# Allegro board FEE5_10_30.brd (continued)
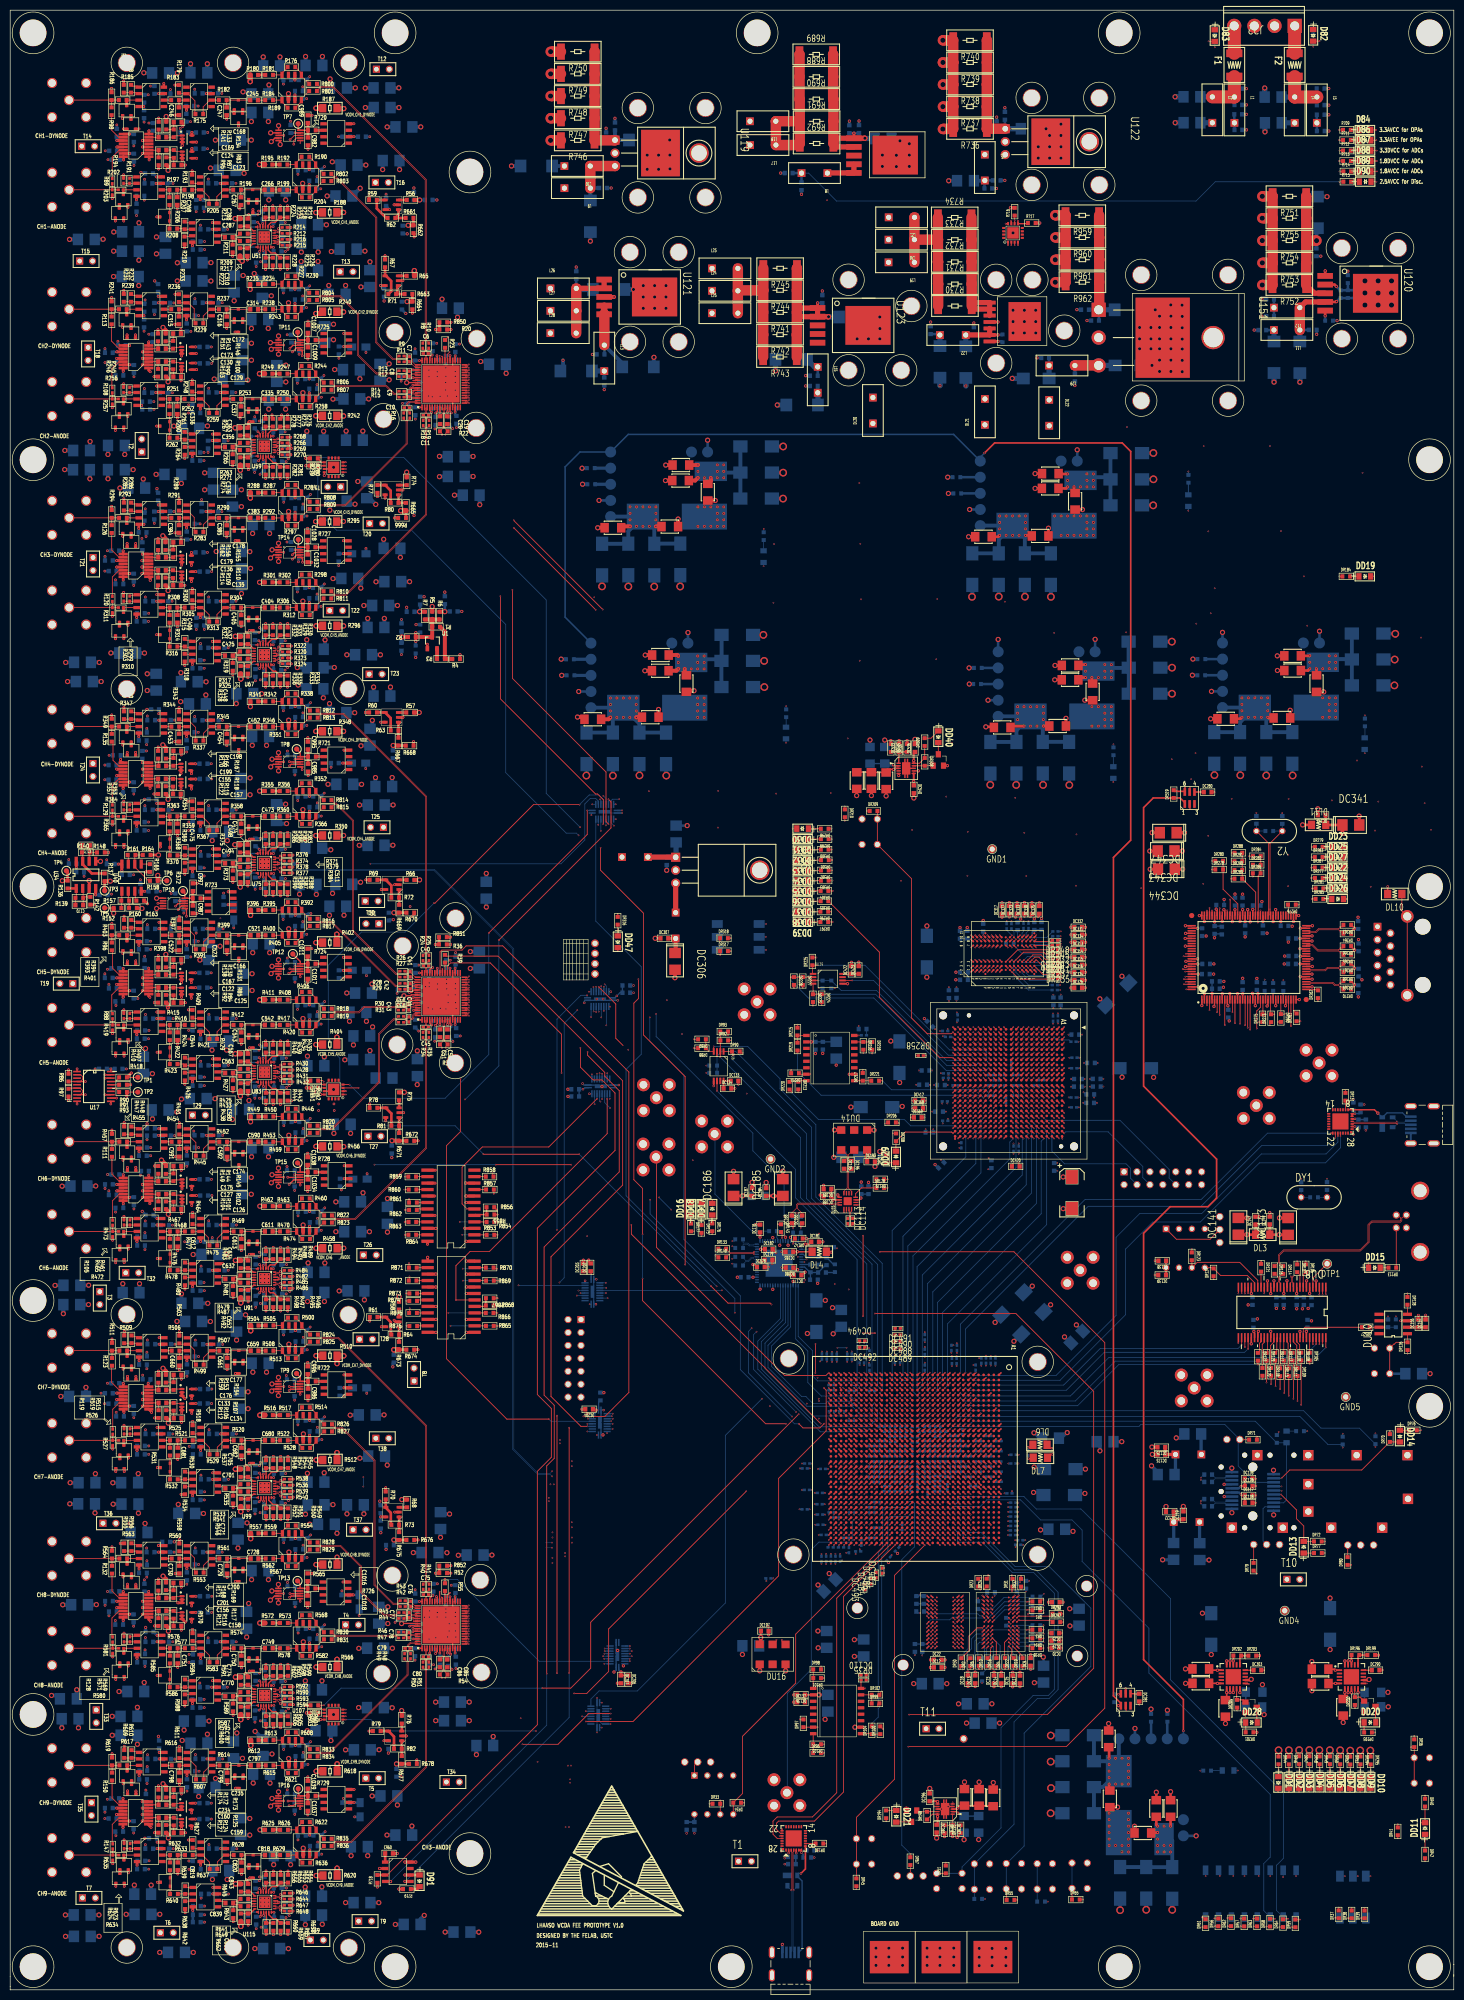
[diagram p0: board, top side]
## Routing (per net, layer and track width the routed paths; a pad name or vN(x,y) marks a point on that pad's centre or on a via; arc(x,y) is an arc through that point) (continued)
  TOP w0.152: DR197.1 183.54,32.3 DC282.1 ; DC282.1 185.13,32.3 DR195.2 ; DC282.1 DU34.1
N1754127: length 4.2
  TOP w0.152: DU34.9 180.13,34.99 DR198.2 178.32,34.98 Q2.1
N1755407: length 3.8
  TOP w0.203: DU33.9 264.12,57.48 DR200.2 265.19,57.46 Q1.1
N1755509: length 4
  TOP w0.203: DU35.9 240.92,57.05 DR204.2 242.22,56.94 Q3.1
N1755553: length 3.6
  TOP w0.305: DU33.16 264.77,65.48 DR196.2 266.6,65.73 DR199.1
N1755557: length 3.3
  TOP w0.305: DR203.1 243.22,65.63 DR202.2 241.57,65.39 DU35.16
N1755573: length 1.6
  TOP w0.203: DC290.1 267.46,62.76 DU33.15
N1755923: length 1.6
  TOP w0.203: DU35.15 242.62,62.76 DC303.1
N2344799: length 3.8
  TOP w0.152: DU7.15 169.23,57.92 DR102.1 169.23,56.24 DR99.1
N2344825: length 3.8
  TOP w0.152: DR100.1 170.93,50.21 DR104.1 169.15,50.3 DU7.9
N2344863: length 3.7
  TOP w0.152: DR98.1 157.76,62.9 DR101.2 157.74,61.2 DU7.1
N2344889: length 3.8
  TOP w0.152: DU7.8 DR103.2 157.74,46.52 DR96.1
N2421672: length 1.9
  TOP w0.152: 174,162.4 DD29.1 172.11,162.4 DR211.1
N2425601: length 0.6
  TOP w0.152: DU4.P28 v1(181.65,93.32)
N2425607: length 0.6
  TOP w0.152: DU4.P29 v1(181.65,92.32)
N2425959: length 0.6
  TOP w0.152: DU4.K28 v1(185.65,93.32)
N2425965: length 0.6
  TOP w0.152: DU4.H28 v1(187.65,93.32)
N2425971: length 0.6
  TOP w0.152: DU4.J28 v1(186.65,93.32)
N2425977: length 0.6
  TOP w0.152: DU4.L28 v1(184.65,93.32)
N2425983: length 0.6
  TOP w0.152: DU4.H29 v1(187.65,92.32)
N2425989: length 0.6
  TOP w0.152: DU4.J29 v1(186.65,92.32)
N2425995: length 0.6
  TOP w0.152: DU4.J30 v1(186.65,91.32)
N2426001: length 0.6
  TOP w0.152: DU4.G29 v1(188.65,92.32)
N2426007: length 0.6
  TOP w0.152: DU4.G30 v1(188.65,91.32)
N2426013: length 0.6
  TOP w0.152: DU4.K30 v1(185.65,91.32)
N2426115: length 0.6
  TOP w0.152: DU4.R32 v1(180.65,89.32)
N2426121: length 0.6
  TOP w0.152: DU4.N32 v1(182.65,89.32)
N2426133: length 0.6
  TOP w0.152: DU4.T33 v1(179.65,88.32)
N2426139: length 0.6
  TOP w0.152: DU4.R33 v1(180.65,88.32)
N2426145: length 0.6
  TOP w0.152: DU4.N34 v1(182.65,87.32)
N2426151: length 0.6
  TOP w0.152: DU4.M34 v1(183.65,87.32)
N2426157: length 0.6
  TOP w0.152: DU4.U34 v1(178.65,87.32)
N2426814: length 3.5
  TOP w0.152: DU38.15 167.6,186.13 DR216.1 167.61,186.12 DR218.1
N2426884: length 3.4
  TOP w0.152: DU38.9 DR217.1 167.48,178.51 DR221.1
N2426918: length 3.2
  TOP w0.152: DR219.2 154.66,185.98 DR215.1 154.66,187.4 DU38.1
N2426948: length 3.4
  TOP w0.152: DR220.2 153.12,178.34 DR213.1 154.99,178.51 DU38.8
N2427808: length 1.2
  BOTTOM w0.152: DR212.1 168.21,188.66 DC308.1
N2429788: length 0.6
  TOP w0.152: DU37.U16 v1(190.2,173.18)
N2429792: length 0.6
  TOP w0.152: DU37.V15 v1(189.2,174.18)
N2429796: length 0.6
  TOP w0.152: DU37.W17 v1(188.2,172.18)
N2429800: length 0.6
  TOP w0.152: DU37.Y18 v1(187.2,171.18)
N2429804: length 0.6
  TOP w0.152: DU37.AA14 v1(186.2,175.18)
N2429816: length 0.6
  TOP w0.152: DU37.V17 v1(189.2,172.18)
N2429820: length 0.6
  TOP w0.152: DU37.W18 v1(188.2,171.18)
N2429824: length 0.6
  TOP w0.152: DU37.AB19 v1(185.2,170.18)
N2429828: length 0.6
  TOP w0.152: DU37.AA18 v1(186.2,171.18)
N2429832: length 0.6
  TOP w0.152: DU37.AB18 v1(185.2,171.18)
N2429836: length 0.6
  TOP w0.152: DU37.Y17 v1(187.2,172.18)
N2429840: length 0.6
  TOP w0.152: DU37.AB17 v1(185.2,172.18)
N2429844: length 0.6
  TOP w0.152: DU37.U14 v1(190.2,175.18)
N2429848: length 0.6
  TOP w0.152: DU37.U13 v1(190.2,176.18)
N2429852: length 0.6
  TOP w0.152: DU37.Y16 v1(187.2,173.18)
N2429856: length 0.6
  TOP w0.152: DU37.W15 v1(188.2,174.18)
N2429860: length 0.6
  TOP w0.152: DU37.V13 v1(189.2,176.18)
N2429864: length 0.6
  TOP w0.152: DU37.W13 v1(188.2,176.18)
N2429868: length 0.6
  TOP w0.152: DU37.AA16 v1(186.2,173.18)
N2429872: length 0.6
  TOP w0.152: DU37.AB16 v1(185.2,173.18)
N2429876: length 0.6
  TOP w0.152: DU37.W14 v1(188.2,175.18)
N2429880: length 0.6
  TOP w0.152: DU37.Y14 v1(187.2,175.18)
N2429884: length 0.6
  TOP w0.152: DU37.Y15 v1(187.2,174.18)
N2429888: length 0.6
  TOP w0.152: DU37.AB15 v1(185.2,174.18)
N2429892: length 0.6
  TOP w0.152: DU37.R11 v1(192.2,179.04)
N2429896: length 0.6
  TOP w0.152: DU37.T11 v1(191.2,179.04)
N2429900: length 0.6
  TOP w0.152: DU37.T15 v1(191.2,174.18)
N2429904: length 0.6
  TOP w0.152: DU37.U15 v1(190.2,174.18)
N2429908: length 0.6
  TOP w0.152: DU37.T12 v1(191.2,177.18)
N2429912: length 0.6
  TOP w0.152: DU37.U12 v1(190.2,177.18)
N2429916: length 0.6
  TOP w0.152: DU37.Y13 v1(187.2,176.18)
N2429920: length 0.6
  TOP w0.152: DU37.AB13 v1(185.2,176.18)
N2429932: length 0.6
  TOP w0.152: DU37.Y11 v1(187.2,179.04)
N2429936: length 0.6
  TOP w0.152: DU37.AB11 v1(185.2,179.04)
N2429940: length 0.6
  TOP w0.152: DU37.W12 v1(188.2,177.18)
N2429944: length 0.6
  TOP w0.152: DU37.Y12 v1(187.2,177.18)
N2429948: length 0.6
  TOP w0.152: DU37.AA10 v1(186.2,180.04)
N2429952: length 0.6
  TOP w0.152: DU37.AB10 v1(185.2,180.04)
N2429956: length 0.6
  TOP w0.152: DU37.V11 v1(189.2,179.04)
N2429960: length 0.6
  TOP w0.152: DU37.W11 v1(188.2,179.04)
N2429964: length 0.6
  TOP w0.152: DU37.Y9 v1(187.2,181.04)
N2429972: length 0.6
  TOP w0.152: DU37.W10 v1(188.2,180.04)
N2429976: length 0.6
  TOP w0.152: DU37.Y10 v1(187.2,180.04)
N2429980: length 0.6
  TOP w0.152: DU37.AA8 v1(186.2,182.04)
N2429984: length 0.6
  TOP w0.152: DU37.AB8 v1(185.2,182.04)
N2429988: length 0.6
  TOP w0.152: DU37.T10 v1(191.2,180.04)
N2429992: length 0.6
  TOP w0.152: DU37.U10 v1(190.2,180.04)
N2429996: length 0.6
  TOP w0.152: DU37.Y7 v1(187.2,183.04)
N2430004: length 0.6
  TOP w0.152: DU37.W9 v1(188.2,181.04)
N2430012: length 0.6
  TOP w0.152: DU37.AA6 v1(186.2,184.04)
N2430016: length 0.6
  TOP w0.152: DU37.AB6 v1(185.2,184.04)
N2430020: length 0.6
  TOP w0.152: DU37.U9 v1(190.2,181.04)
N2430024: length 0.6
  TOP w0.152: DU37.V9 v1(189.2,181.04)
N2430052: length 0.6
  TOP w0.152: DU37.W6 v1(188.2,184.04)
N2430084: length 0.6
  TOP w0.152: DU37.D3 v1(204.06,187.04)
N2430092: length 0.6
  TOP w0.152: DU37.D5 v1(204.06,185.04)
N2430100: length 0.6
  TOP w0.152: DU37.B2 v1(206.06,188.04)
N2430176: length 0.6
  TOP w0.152: DU37.H10 v1(200.06,180.04)
N2430184: length 0.6
  TOP w0.152: DU37.D4 v1(204.06,186.04)
N2430188: length 0.6
  TOP w0.152: DU37.E5 v1(203.06,185.04)
N2430236: length 0.6
  TOP w0.152: DU37.B18 v1(206.06,171.18)
N2430240: length 0.6
  TOP w0.152: DU37.A18 v1(207.06,171.18)
N2430244: length 0.6
  TOP w0.152: DU37.F17 v1(202.06,172.18)
N2430252: length 0.6
  TOP w0.152: DU37.B20 v1(206.06,169.18)
N2430256: length 0.6
  TOP w0.152: DU37.F16 v1(202.06,173.18)
N2430270: length 0.6
  TOP w0.152: DU37.C18 v1(205.06,171.18)
N2432091: length 0.6
  TOP w0.152: DU4.AC24 v1(171.79,97.32)
N2432097: length 0.6
  TOP w0.152: DU4.AD24 v1(170.79,97.32)
N2432295: length 0.6
  TOP w0.152: DU4.AD25 v1(170.79,96.32)
N2432301: length 0.6
  TOP w0.152: DU4.AE25 v1(169.79,96.32)
N2432507: length 0.6
  TOP w0.152: DU4.AK2 v1(164.79,120.19)
N2432525: length 0.6
  TOP w0.152: DU4.AK1 v1(164.79,121.19)
N2432583: length 0.6
  TOP w0.102: DU4.AG26 v1(167.79,95.32)
N2432589: length 0.6
  TOP w0.102: DU4.AH26 v1(166.79,95.32)
N2432651: length 0.6
  TOP w0.152: DU4.AP11 v1(160.79,111.19)
N2432657: length 0.6
  TOP w0.152: DU4.AP10 v1(160.79,112.19)
N2432747: length 0.6
  TOP w0.152: DU4.AP29 v1(160.79,92.32)
N2432807: length 0.6
  TOP w0.152: DU4.AJ25 v1(165.79,96.32)
N2432813: length 0.6
  TOP w0.152: DU4.AK25 v1(164.79,96.32)
N2432819: length 0.6
  TOP w0.152: DU4.AJ26 v1(165.79,95.32)
N2432820: length 0.6
  TOP w0.152: DU37.F18 v1(202.06,171.18)
N2432825: length 0.6
  TOP w0.152: DU4.AK26 v1(164.79,95.32)
N2432828: length 0.6
  TOP w0.152: DU37.H16 v1(200.06,173.18)
N2432832: length 0.6
  TOP w0.152: DU37.H17 v1(200.06,172.18)
N2432836: length 0.6
  TOP w0.152: DU37.B21 v1(206.06,168.18)
N2432840: length 0.6
  TOP w0.152: DU37.B22 v1(206.06,167.18)
N2432844: length 0.6
  TOP w0.152: DU37.J16 v1(199.06,173.18)
N2432848: length 0.6
  TOP w0.152: DU37.J17 v1(199.06,172.18)
N2432852: length 0.6
  TOP w0.152: DU37.C20 v1(205.06,169.18)
N2432856: length 0.6
  TOP w0.152: DU37.N15 v1(194.2,174.18)
N2432860: length 0.6
  TOP w0.152: DU37.L15 v1(197.06,174.18)
N2432867: length 0.6
  TOP w0.152: DU4.AL25 v1(163.79,96.32)
N2432873: length 0.6
  TOP w0.152: DU4.AP25 v1(160.79,96.32)
N2432879: length 0.6
  TOP w0.152: DU4.AM25 v1(162.79,96.32)
N2432885: length 0.6
  TOP w0.152: DU4.AP26 v1(160.79,95.32)
N2432903: length 0.6
  TOP w0.152: DU4.AD33 v1(170.79,88.32)
N2432908: length 0.6
  TOP w0.152: DU37.J19 v1(199.06,170.18)
N2432915: length 0.6
  TOP w0.152: DU4.AD34 v1(170.79,87.32)
N2432968: length 0.6
  TOP w0.152: DU37.M19 v1(195.2,170.18)
N2432975: length 0.6
  TOP w0.152: DU4.AE32 v1(169.79,89.32)
N2432976: length 0.6
  TOP w0.152: DU37.K22 v1(198.06,167.18)
N2432981: length 0.6
  TOP w0.152: DU4.AF32 v1(168.79,89.32)
N2432984: length 0.6
  TOP w0.152: DU37.M17 v1(195.2,172.18)
N2433011: length 0.6
  TOP w0.152: DU4.AD28 v1(170.79,93.32)
N2433017: length 0.6
  TOP w0.152: DU4.AD29 v1(170.79,92.32)
N2433039: length 0.6
  TOP w0.152: DU4.AP6 v1(160.79,116.19)
N2433045: length 0.6
  TOP w0.152: DU4.AP5 v1(160.79,117.19)
N2433051: length 0.6
  TOP w0.152: DU4.AN6 v1(161.79,116.19)
N2433057: length 0.6
  TOP w0.152: DU4.AN7 v1(161.79,115.19)
N2433131: length 0.6
  TOP w0.152: DU4.AM7 v1(162.79,115.19)
N2433137: length 0.6
  TOP w0.152: DU4.AM6 v1(162.79,116.19)
N2433140: length 0.6
  TOP w0.152: DU37.R16 v1(192.2,173.18)
N2433144: length 0.6
  TOP w0.152: DU37.P16 v1(193.2,173.18)
  BOTTOM w0.152: 193.21,173.18 v1(193.2,173.18)
N2433160: length 0.6
  TOP w0.152: DU37.Y3 v1(187.2,187.04)
N2433164: length 0.6
  TOP w0.152: DU37.T6 v1(191.2,184.04)
N2433168: length 0.6
  TOP w0.152: DU37.T5 v1(191.2,185.04)
N2433172: length 0.6
  TOP w0.152: DU37.V5 v1(189.2,185.04)
N2433176: length 0.6
  TOP w0.152: DU37.V3 v1(189.2,187.04)
N2433180: length 0.6
  TOP w0.152: DU37.P5 v1(193.2,185.04)
N2433184: length 0.6
  TOP w0.152: DU37.P4 v1(193.2,186.04)
N2433188: length 0.6
  TOP w0.152: DU37.AA2 v1(186.2,188.04)
N2433192: length 0.6
  TOP w0.152: DU37.AA1 v1(186.2,189.04)
N2433196: length 0.6
  TOP w0.152: DU37.N6 v1(194.2,184.04)
N2433200: length 0.6
  TOP w0.152: DU37.N7 v1(194.2,183.04)
N2433204: length 0.6
  TOP w0.152: DU37.U4 v1(190.2,186.04)
N2433208: length 0.6
  TOP w0.152: DU37.T4 v1(191.2,186.04)
N2433212: length 0.6
  TOP w0.152: DU37.P6 v1(193.2,184.04)
N2433216: length 0.6
  TOP w0.152: DU37.P7 v1(193.2,183.04)
N2433220: length 0.6
  TOP w0.152: DU37.T3 v1(191.2,187.04)
N2433224: length 0.6
  TOP w0.152: DU37.R4 v1(192.2,186.04)
N2433228: length 0.6
  TOP w0.152: DU37.M7 v1(195.2,183.04)
N2433231: length 0.6
  TOP w0.102: DU4.AJ33 v1(165.79,88.32)
N2433237: length 0.6
  TOP w0.102: DU4.AJ34 v1(165.79,87.32)
N2433267: length 0.6
  TOP w0.152: DU4.AL32 v1(163.79,89.32)
N2433273: length 0.6
  TOP w0.152: DU4.AM32 v1(162.79,89.32)
N2433444: length 0.6
  TOP w0.152: DU37.K7 v1(198.06,183.04)
N2433464: length 0.6
  TOP w0.152: DU37.H4 v1(200.06,186.04)
N2433468: length 0.6
  TOP w0.152: DU37.G4 v1(201.06,186.04)
N2433472: length 0.6
  TOP w0.152: DU37.D2 v1(204.06,188.04)
N2433476: length 0.6
  TOP w0.152: DU37.D1 v1(204.06,189.04)
N2433480: length 0.6
  TOP w0.152: DU37.F3 v1(202.06,187.04)
N2433484: length 0.6
  TOP w0.152: DU37.E4 v1(203.06,186.04)
N2433488: length 0.6
  TOP w0.152: DU37.H6 v1(200.06,184.04)
N2433492: length 0.6
  TOP w0.152: DU37.G7 v1(201.06,183.04)
N2433496: length 0.6
  TOP w0.152: DU37.J7 v1(199.06,183.04)
N2433500: length 0.6
  TOP w0.152: DU37.H8 v1(200.06,182.04)
N2433504: length 0.6
  TOP w0.152: DU37.F5 v1(202.06,185.04)
N2433508: length 0.6
  TOP w0.152: DU37.G6 v1(201.06,184.04)
N2433512: length 0.6
  TOP w0.152: DU37.C1 v1(205.06,189.04)
N6359511: length 2.3
  TOP w0.152: U148.9 R857.2
N6359513: length 2.2
  TOP w0.152: U148.19 80.07,153.33 R862.1
N6359515: length 2.2
  TOP w0.152: U148.14 79.73,159.68 R859.1
N6359516: length 2.2
  TOP w0.152: U148.16 R860.1
N6359518: length 2.2
  TOP w0.152: U148.21 79.77,150.79 R863.1
N6359520: length 2.1
  TOP w0.152: U148.18 79.9,154.6 R861.1
N6484111: length 2.3
  TOP w0.152: U149.9 93.47,139.27 R869.2
N6484113: length 2.2
  TOP w0.152: U149.19 80.11,135.46 R874.1
N6484115: length 2.2
  TOP w0.152: U149.14 79.87,141.81 R871.1
N6484116: length 2.2
  TOP w0.152: R872.1 79.82,139.27 U149.16
N6484118: length 2.1
  TOP w0.152: U149.21 79.91,132.92 R875.1
N6484120: length 2.1
  TOP w0.152: U149.18 79.94,136.73 R873.1
N16758117: length 2.9
  TOP w0.152: DJ1.2 134.41,44.1 DU3.1
N16760540: length 5.4
  TOP w2.54: J22.4 240.47,385.62 F1.1
N16760576: length 13.9
  TOP w2.54: L2.1 240.47,371.7 ; 240.47,371.7 L1.1 ; 240.47,371.7 240.47,371.7 F1.2
  BOTTOM w0.508: C886.1 240.5,371.68 L1.1 240.48,371.7 C885.1
  BOTTOM w1.016: L2.1 236.14,371.72 C884.1
N16760798: length 14.2
  TOP w2.54: F2.2 252.32,371.69 L4.1 L5.1
  BOTTOM w0.508: C898.1 256.68,371.68 L5.1 256.66,371.71 C897.1
  BOTTOM w1.016: C896.2 252.31,371.66 L4.1
N16760952: length 5.4
  TOP w2.54: F2.1 252.32,385.63 J22.1
N16764196: length 27.9
  TOP w1.016: R752.2 256.21,333.14 U120.3
  TOP w2.032: R751.2 254.59,352.18 R755.2 254.59,347.87 R754.2 ; R754.2 256.46,343.48 v4(256.63,343.48) ; R754.2 254.6,343.47 R753.2 254.58,339.08 R752.2
  BOTTOM w0.508: v4(256.63,343.48) 256.59,343.44 C923.2
  BOTTOM w0.762: C922.2 256.63,345.75 v4(256.63,343.48)
  vias: v4(266.13,335.57) v4(266.13,333.2) v4(266.13,330.83) v4(268.72,335.57) v4(268.72,333.2) v4(268.72,330.83) v4(271.35,335.57) v4(271.35,333.2) v4(271.35,330.83)
N16764206: length 13.4
  TOP w2.032: U119.3 118.8,358.12 L10.1 113.96,358.11 L9.1
  BOTTOM w0.762: C918.1 113.99,353.81 L9.1 113.97,353.77 C919.1
N16764338: length 2
  TOP w0.508: U120.5 v8(258.31,328.7)
  BOTTOM w0.508: v8(258.31,328.7) 258.31,327.76 R693.1
N16764482: length 7.8
  TOP w0.508: v8(260.5,334.49) 260.15,334.84 U120.2
  BOTTOM w0.508: v8(260.5,334.49) 261.27,333.72 R696.2 262.76,333.72 R695.2 ; R694.1 262.77,335.15 R695.2 ; R695.2 264.19,333.73 C928.1
N16764728: length 27.9
  TOP w2.032: U119.1 118.76,363.16 R746.2 114.79,367.5 R747.2 114.8,371.86 R748.2 114.79,376.21 R749.2 114.8,380.59 R750.2
  BOTTOM w0.762: C917.1 118.79,363.19 U119.1 ; C915.1 118.81,363.21 U119.1 ; U119.1 118.82,363.22 C916.1
N16765885: length 15.3
  TOP w1.27: U121.4 U121.5
  TOP w2.032: U121.5 116.71,328.98 L13.1
  BOTTOM w0.508: 116.71,322.94 116.73,322.93 C933.1
  BOTTOM w0.762: 116.73,322.93 120.23,319.42 C934.1
  BOTTOM w1.016: L13.1 116.71,322.94
N16765895: length 4.4
  BOTTOM w0.508: L15.1 158.63,318.68 C945.1
  BOTTOM w1.016: L15.1 158,318.69 C943.1
N16765899: length 34.2
  TOP w0.508: U123.1 158.6,331.1 158.61,331.1 v8(158.61,331.25)
  TOP w1.016: v5(160.76,328.53) 160.69,328.53 160.68,328.54 U123.2 ; U123.2 155.37,328.54 R741.2 155.39,330.24 U123.1 U123.2
  TOP w2.032: R743.2 154.52,324.99 R742.2 R741.2 R744.2 154.53,338.04 R745.2
  BOTTOM w0.508: v8(158.61,331.25) 158.62,331.23 C941.1
  BOTTOM w1.016: v5(160.76,328.53) 160.82,328.47 C942.1
N16766097: length 21.2
  TOP w1.016: U121.1 U121.2 111.22,334.12 L26.2
  TOP w2.032: L28.2 111.19,329.68 L27.2 L26.2
  BOTTOM w0.508: L26.2 111.19,334.11 C929.1
  BOTTOM w1.016: C930.1 111.42,333.88 L26.2
N16768473: length 8.9
  TOP w0.152: DU2.H8 v1(197.33,71.07) ; DR31.1 196.79,79.05 v1(196.79,78.3)
  S1 w0.152: v1(196.79,78.3) 196.92,78.17 196.92,71.49 v1(197.33,71.07)
N16768477: length 8.8
  TOP w0.152: DU2.H9 v1(198.13,71.07) ; DR32.1 198.57,78.63 v1(198.57,78.63)
  S1 w0.152: v1(198.13,71.07) 198.59,71.53 198.59,78.61 v1(198.57,78.63)
N16769341: length 1.6
  TOP w0.152: D84.1 264.98,365.22 R709.2
N16769479: length 1.7
  TOP w0.152: D86.1 263.38,363.19 R711.2
N16769575: length 1.7
  TOP w0.152: R712.2 263.35,361.16 D87.1
N16769617: length 1.7
  TOP w0.152: D88.1 263.37,359.11 R713.2
N16769671: length 1.6
  TOP w0.152: D89.1 263.42,357.07 R714.2
N16769749: length 1.9
  TOP w0.508: D91.2 79.93,19.78 R719.1
N16770835: length 11.4
  TOP w0.152: v1(190.55,78.59) 190.52,78.63 190.52,79.04 190.36,79.2 DR23.1 ; DU1.H8 v1(186.41,71.07)
  S1 w0.152: v1(190.55,78.59) 189.32,77.36 189.32,72.66 188.13,71.47 186.81,71.47 v1(186.41,71.07)
N16770839: length 11.4
  TOP w0.152: DR24.1 191.78,79.15 191.7,79.15 191.27,78.72 v1(191.23,78.72) ; DU1.H9 v1(187.21,71.07)
  S1 w0.152: v1(187.21,71.07) 188.5,71.07 190.57,73.14 190.57,77.77 191.23,78.43 v1(191.23,78.72)
N16771131: length 3.6
  TOP w0.152: DR79.2 244.27,83.85 DJ5.1
N16771135: length 2.4
  TOP w0.152: DR80.2 262.74,84.98 DJ6.1
N16774635: length 10.2
  TOP w1.016: DL8.2 130.69,222.42 DU36.1
  BOTTOM w1.016: DC304.2 130.72,222.4 DU36.1 130.82,222.48 DC305.1
N16775431: length 3
  TOP w0.254: DR264.1 263.42,207.8 v6(264.06,208.43) 264.06,208.46 DR263.1
  BOTTOM w0.254: DC335.2 264.66,208.43 v6(264.06,208.43)
N16775439: length 3.1
  TOP w0.254: DR266.1 263.42,204.86 v6(264.1,204.19) 263.42,203.51 DR265.1
  BOTTOM w0.254: DC336.2 264.63,204.18 264.14,204.18 264.14,204.19 v6(264.1,204.19)
N16775467: length 3
  TOP w0.254: DR270.1 264.08,197.1 v6(264.08,197.37) 263.42,198.02 DR269.1
  BOTTOM w0.254: v6(264.08,197.37) 264.2,197.25 DC338.2
N16775679: length 2.2
  TOP w0.152: DR276.2 251.1,213.02 DU41.68 251.08,210.96
N16775783: length 20.3
  TOP w0.152: DL10.2 273.38,211.84 DU42.SH1 DU42.SH2
N16777303: length 8.2
  TOP w0.762: R1.2 85.39,266.68 R3.2 86.83,261.33 R4.2
N16777309: length 2
  TOP w0.762: R3.1 83.86,263.34 U1.3
N16777396: length 1.8
  TOP w0.254: U2.54 v3(79.13,316.58)
  BOTTOM w0.508: R21.2 78.58,316.58 v3(79.13,316.58)
N16777417: length 2.5
  TOP w0.152: R23.2 85.41,322.43 U2.39
N16777432: length 2
  TOP w0.102: C19.1 85.32,309.54 85.32,310.64 U2.10
N16777434: length 2.1
  TOP w0.102: C20.1 85.06,309.6 85.06,310.58 U2.9
N16778175: length 0.6
  TOP w0.152: DU4.V32 v1(176.79,89.32)
N16778178: length 0.6
  TOP w0.152: DU4.W33 v1(175.79,88.32)
N16778181: length 0.6
  TOP w0.152: DU4.W34 v1(175.79,87.32)
N16778187: length 0.6
  TOP w0.152: DU4.V34 v1(176.79,87.32)
N16778268: length 0.6
  TOP w0.152: DU4.AA30 v1(173.79,91.32)
N16778283: length 0.6
  TOP w0.152: DU4.AB32 v1(172.79,89.32)
N16778289: length 0.6
  TOP w0.152: DU4.AB30 v1(172.79,91.32)
N16778292: length 0.6
  TOP w0.152: DU4.AC32 v1(171.79,89.32)
N16778340: length 4.6
  TOP w0.152: R140.1 15.63,223.34 C171.1 ; R140.1 15.52,223.23 U34.6 ; R140.1 R148.2
N16778595: length 2.9
  TOP w0.152: R115.1 31.93,236.34 R118.1 31.99,236.25 C157.1
N16778636: length 3.2
  TOP w0.152: U15.1 33.74,361.01 32.39,361.01 R83.2 32.14,361.25 C124.1
N16778731: length 2.9
  TOP w0.152: C158.1 R117.1 32.02,72.97 R116.1
N16778761: length 3
  TOP w0.152: U16.1 32.11,196.77 R85.2 30.65,196.79 C122.2
N16778842: length 3
  TOP w0.152: R106.1 32.03,113.82 R107.1 32.12,112.26 C134.1
N16778916: length 3
  TOP w0.152: C155.2 R118.2 33.52,237.79 U27.1
N16778918: length 2.9
  TOP w0.152: R87.1 32.06,359.82 R83.1 32.14,358.32 C123.1
N16778923: length 3.2
  TOP w0.152: C127.2 32.08,156.25 R102.2 32.31,156.05 33.66,156.05 U19.1
N16778935: length 3.2
  TOP w0.152: U20.1 33.58,319.53 32.23,319.53 R100.2 30.6,319.74 C130.2
N16779002: length 3
  TOP w0.152: R101.1 32.02,154.81 R102.1 32.1,154.73 C126.1
N16779125: length 3.2
  TOP w0.152: U24.1 33.61,278.55 32.24,278.55 32.04,278.76 R110.2 31.99,278.74 C136.2
N16779129: length 3
  TOP w0.152: R84.1 31.99,195.36 R85.1 32.09,195.26 C125.1
N16779131: length 3.1
  TOP w0.254: DR267.1 264.05,200.87 v6(264.05,200.61) 263.42,199.98 DR268.1
  BOTTOM w0.254: v6(264.05,200.61) 264.78,200.61 DC337.2
N16779163: length 3.1
  TOP w0.152: U21.1 32.25,115.12 R107.2 32.11,115.26 C133.2
N16779293: length 2.9
  TOP w0.152: R99.1 31.95,318.29 R100.1 32.04,318.2 C129.1
N16779333: length 3.2
  TOP w0.152: U25.1 32.4,74.12 R117.2 32.08,74.44 C156.2
N16779396: length 3
  TOP w0.152: C135.1 32.01,277.22 R110.1 31.94,277.29 R109.2
N16779434: length 2
  TOP w0.152: R90.2 21.4,179.11 20.65,178.36 U17.17
N16779446: length 2
  TOP w0.152: R93.1 20.63,177.06 U17.15
N16779556: length 2.2
  TOP w0.152: DR67.2 176.83,22.37 DJ3.2
N16779576: length 3
  TOP w0.152: R124.1 32.06,32.35 R125.1 C159.1
N16779635: length 3.1
  TOP w0.152: U29.1 33.62,33.56 32.37,33.56 R125.2 32.13,33.8 C160.2
N16779679: length 4.8
  TOP w0.152: R139.1 14.52,214.61 R142.2 ; R139.1 14.34,216.18 U34.2 ; R139.1 14.33,214.42 C170.1
N16779689: length 5
  TOP w0.152: C170.2 12.81,214.42 R139.2 12.98,214.59 U34.1
  TOP w0.508: R136.2 U34.1
N16779718: length 8.8
  TOP w0.152: C171.2 14.09,224.73 R140.2 14.25,223.18 U34.7
  TOP w0.508: R137.1 16.03,219.22 14.25,221 U34.7
N16780919: length 1
  TOP w0.254: DU4.G22 v1(188.65,99.32)
  BOTTOM w0.254: v1(188.65,99.32) 188.66,99.32 DR68.2
N16781514: length 2
  TOP w0.152: R39.2 85.41,201.7 U3.39
N16781518: length 2.2
  TOP w0.102: U3.10 85.28,190.36 85.28,189.18 85.87,188.6 C50.1
N16781522: length 2.2
  TOP w0.102: C51.1 84.46,188.6 85.03,189.16 85.03,190.36 U3.9
N16781533: length 2.8
  TOP w0.254: v3(78.41,195.85) 78.86,195.85 79.32,196.31 80.03,196.31 U3.54
  BOTTOM w0.254: R37.2 77.77,196.45 78.37,195.85 v3(78.41,195.85)
N16788823: length 1.6
  TOP w0.508: R725.2 61.57,323.95 U139.6
N16789449: length 1.5
  TOP w0.508: U145.6 R727.2
N16789480: length 1.6
  TOP w0.508: R56.2 77.89,351.46 U5.3
N16789485: length 6.2
  TOP w0.508: U5.4 72.03,351.46 R59.2 72.02,349.77 73.86,347.93 R62.1
N16789749: length 1.5
  TOP w0.508: R724.2 61.52,201.47 U140.6
N16789928: length 1.7
  TOP w0.508: R728.2 61.65,160.55 U146.6
N16790107: length 1.6
  TOP w0.508: U133.6 60.04,242.16 R721.2
N16790403: length 0.6
  TOP w0.152: DU4.L3 v1(184.65,119.19)
N16790442: length 0.6
  TOP w0.152: DU4.L8 v1(184.65,114.19)
N16790530: length 0.6
  TOP w0.152: DU4.M2 v1(183.65,120.19)
N16790533: length 0.6
  TOP w0.152: DU4.L2 v1(184.65,120.19)
N16790536: length 0.6
  TOP w0.152: DU4.K3 v1(185.65,119.19)
N16790539: length 0.6
  TOP w0.152: DU4.K2 v1(185.65,120.19)
N16790542: length 0.6
  TOP w0.152: DU4.L7 v1(184.65,115.19)
N16790726: length 1.5
  TOP w0.508: U141.6 61.43,78.82 R726.2
N16790900: length 1.6
  TOP w0.508: R729.2 60,38.07 U147.6
N16791074: length 1.6
  TOP w0.508: U135.6 61.62,119.47 R722.2
N16792904: length 1.5
  TOP w0.508: U134.6 R723.2
N16794749: length 0.6
  TOP w0.152: DU4.R11 v1(180.65,111.19)
N16794750: length 0.6
  TOP w0.152: DU4.M7 v1(183.65,115.19)
N16794753: length 0.6
  TOP w0.152: DU4.N9 v1(182.65,113.19)
N16794754: length 0.6
  TOP w0.152: DU4.M9 v1(183.65,113.19)
N16794759: length 0.6
  TOP w0.152: DU4.M11 v1(183.65,111.19)
N16794760: length 0.6
  TOP w0.152: DU4.M10 v1(183.65,112.19)
N16794761: length 0.6
  TOP w0.152: DU4.P9 v1(181.65,113.19)
N16794814: length 0.6
  TOP w0.152: DU4.R8 v1(180.65,114.19)
N16794821: length 0.6
  TOP w0.152: DU4.U10 v1(178.65,112.19)
N16794822: length 0.6
  TOP w0.152: DU4.T10 v1(179.65,112.19)
N16794827: length 0.6
  TOP w0.152: DU4.T8 v1(179.65,114.19)
N16794836: length 0.6
  TOP w0.152: DU4.Y11 v1(174.79,111.19)
N16794837: length 0.6
  TOP w0.152: DU4.W10 v1(175.79,112.19)
N16794838: length 0.6
  TOP w0.152: DU4.Y10 v1(174.79,112.19)
N16794839: length 0.6
  TOP w0.152: DU4.V9 v1(176.79,113.19)
N16794840: length 0.6
  TOP w0.152: DU4.V8 v1(176.79,114.19)
N16794841: length 0.6
  TOP w0.152: DU4.W9 v1(175.79,113.19)
N16794848: length 0.6
  TOP w0.152: DU4.Y8 v1(174.79,114.19)
N16794899: length 0.6
  TOP w0.152: DU4.AA8 v1(173.79,114.19)
N16794904: length 0.6
  TOP w0.152: DU4.AB7 v1(172.79,115.19)
N16794907: length 0.6
  TOP w0.152: DU4.AC9 v1(171.79,113.19)
N16794908: length 0.6
  TOP w0.152: DU4.AC8 v1(171.79,114.19)
N16794909: length 0.6
  TOP w0.152: DU4.AA10 v1(173.79,112.19)
N16794910: length 0.6
  TOP w0.152: DU4.AA9 v1(173.79,113.19)
N16794911: length 0.6
  TOP w0.152: DU4.AB10 v1(172.79,112.19)
N16794912: length 0.6
  TOP w0.152: DU4.AB9 v1(172.79,113.19)
N16794913: length 0.6
  TOP w0.152: DU4.AB11 v1(172.79,111.19)
N16799914: length 0.6
  TOP w0.152: DU4.AG5 v1(167.79,117.19)
N16799919: length 0.6
  TOP w0.152: DU4.AD6 v1(170.79,116.19)
N16799920: length 0.6
  TOP w0.152: DU4.AE6 v1(169.79,116.19)
N16801299: length 1.6
  TOP w0.152: R91.1 U17.16
N16826582: length 27.6
  TOP w2.032: R740.2 191.86,382.79 R739.2 R738.2 191.85,374.12 R737.2 R736.2 191.87,365.44 U122.1
  BOTTOM w0.508: C932.1 195.4,365.51 U122.1 195.4,365.37 C939.1
  BOTTOM w1.016: C931.1 195.48,365.45 U122.1
N16826687: length 2.9
  TOP w0.152: R166.1 31.96,241.77 R167.1 32.07,243.29 C198.1
N16826691: length 3.3
  TOP w0.152: U32.1 33.73,364.06 32.4,364.06 R134.2 32.12,363.79 C169.1
N16826763: length 2.9
  TOP w0.152: R168.1 30.63,78.47 R169.1 32.08,79.88 C200.1
N16826784: length 3.2
  TOP w0.152: C167.2 32.07,199.35 R131.2 32.35,199.61 33.57,199.61 U33.1
N16826834: length 3
  TOP w0.152: C177.1 32.1,120.74 R154.1 30.66,119.32 R153.1
N16826887: length 3.3
  TOP w0.152: C175.2 32.06,158.78 R145.2 32.32,159.03 33.65,159.03 U35.1
N16826892: length 2.9
  TOP w0.152: R133.1 32.12,365.31 R134.1 32.13,366.71 C168.1
N16826894: length 3.1
  TOP w0.152: C199.2 32.06,240.34 R167.2 32.35,240.63 33.44,240.63 U41.1
N16826907: length 3.2
  TOP w0.152: C173.2 32.01,322.26 R146.2 32.28,322.53 33.61,322.53 U37.1
